# Altium PCB DDS_controller.PcbDoc
Units mil, origin at the board's own origin, x right, y up, seen from the top; angles counter-clockwise.
Board outline 2765 x 1935 mil, 2 copper layers (Top Layer, Bottom Layer); 56 components, 50 nets, 237 pads, 216 vias.
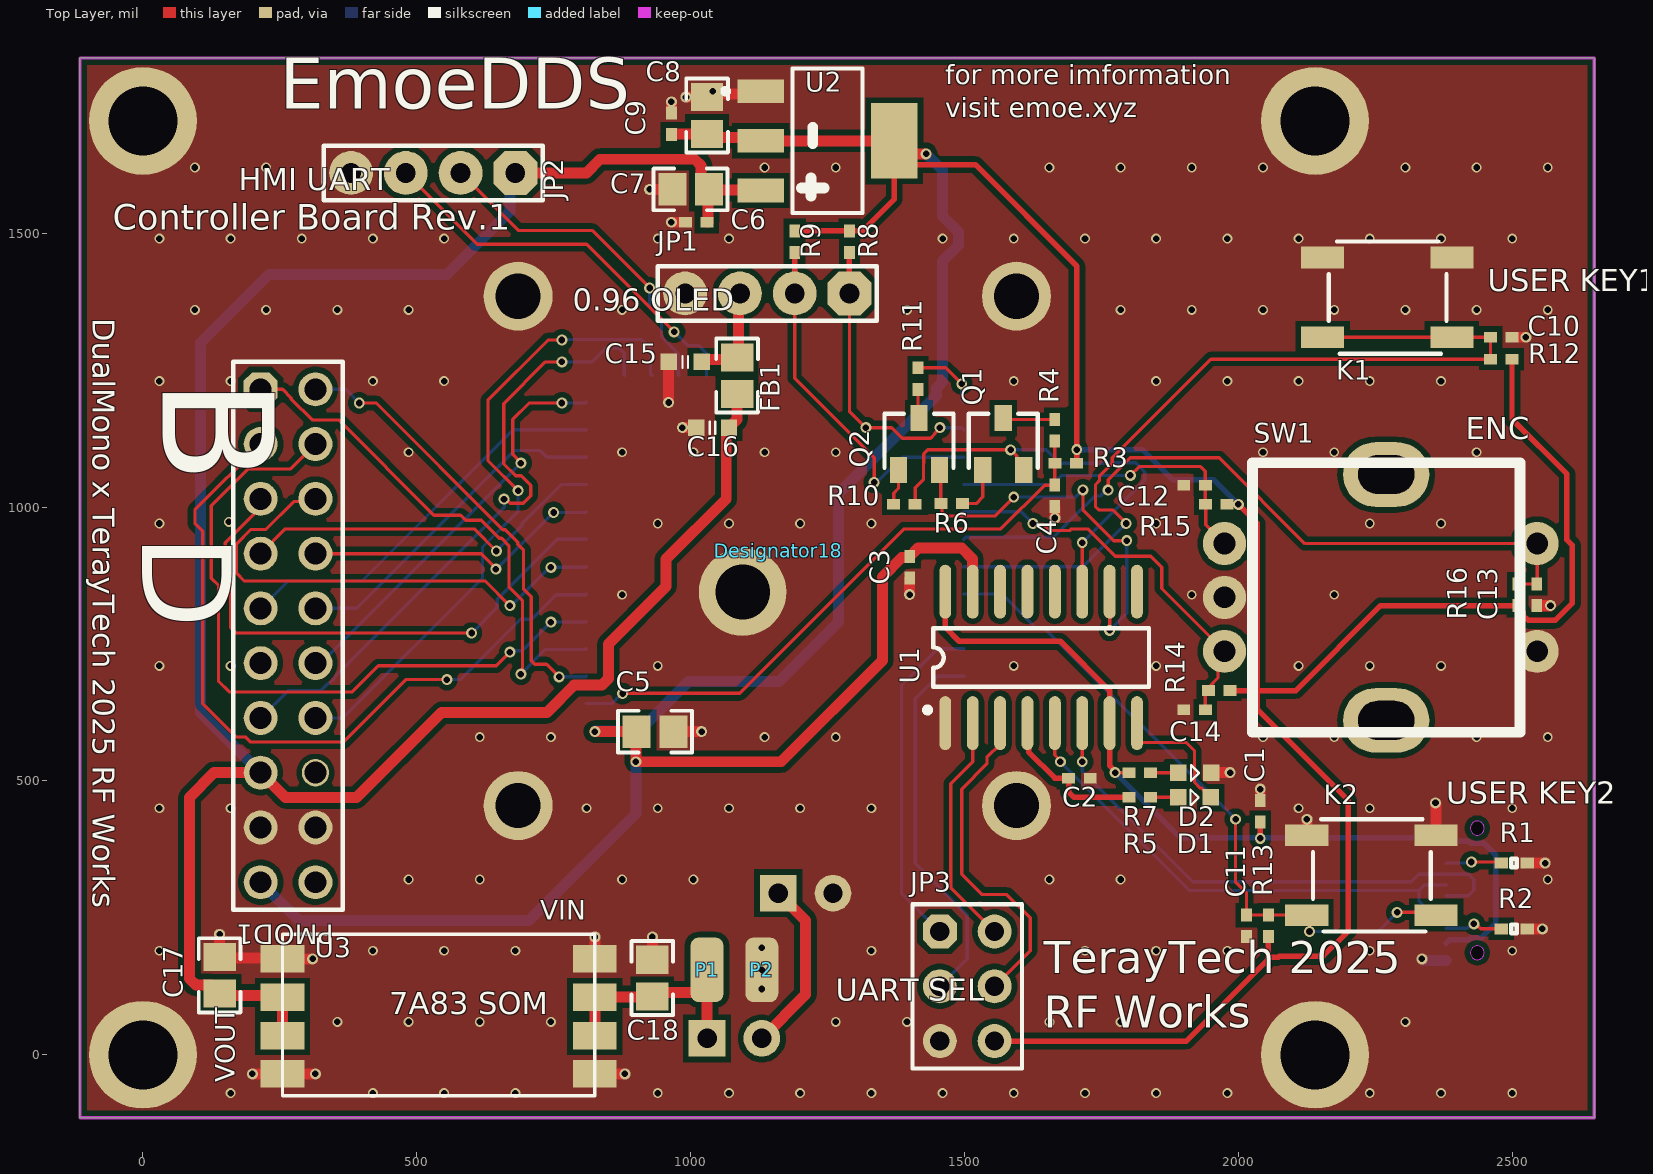
[diagram p0: Top Layer view]
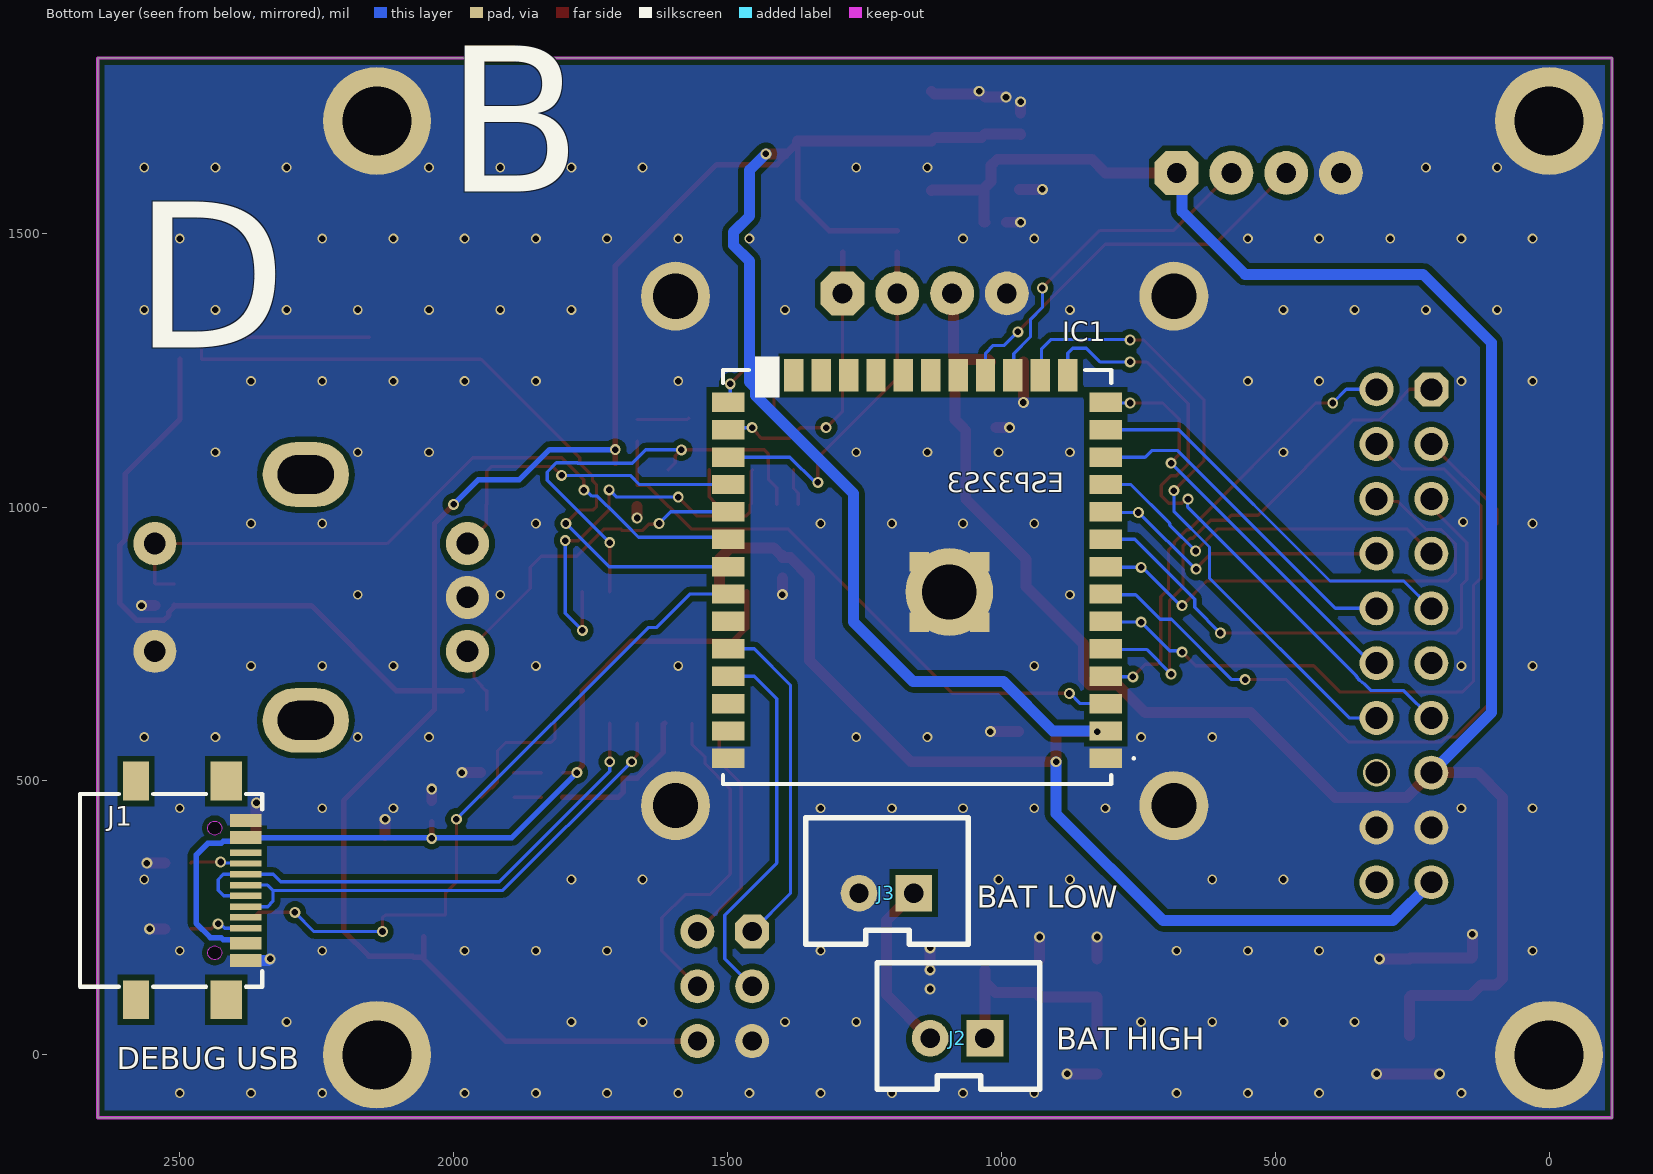
[diagram p1: Bottom Layer view, seen from below]
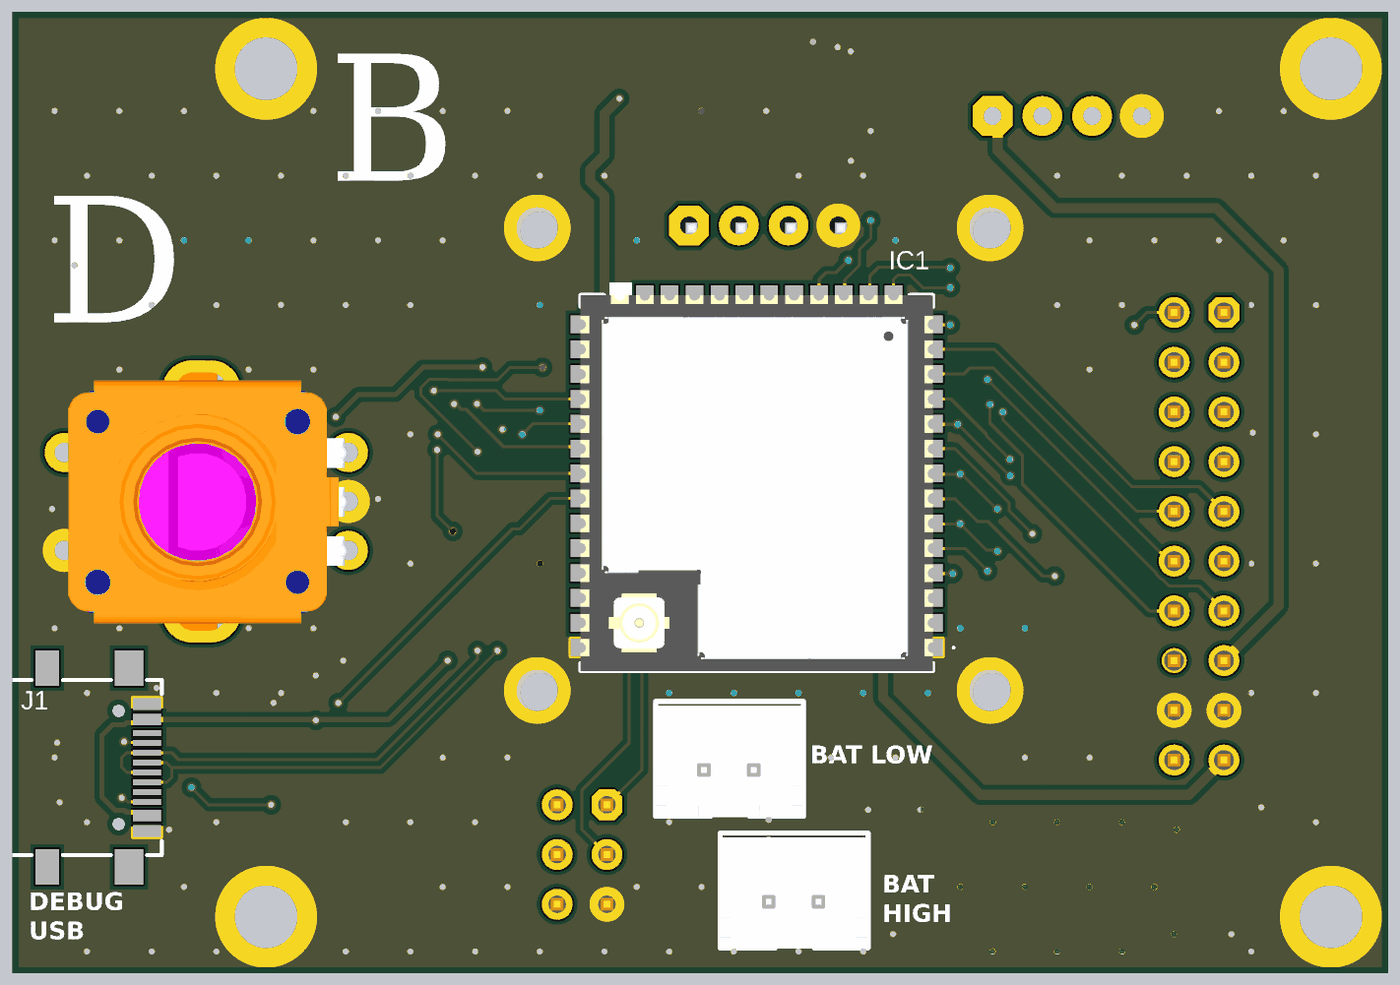
[diagram p2: 3D render of the assembled board from below, using the file's embedded part models]

## Layer stack, top to bottom
Top Solder: solder mask 0.4, Solder Resist, Dk 3.5
Top Layer: signal copper 1.4
Dielectric 1: dielectric 12.6, FR-4, Dk 4.8
Bottom Layer: signal copper 1.4
Bottom Solder: solder mask 0.4, Solder Resist, Dk 3.5

## Board outline
-115,-115 2650,-115 2650,1820 -115,1820

## Design rules (kind name [scope] priority, off if disabled: settings)
Clearance [All] p1: gap=10 ignorepadtopadclearanceinfootprint=FALSE
ComponentClearance [All] p1 off: gap=10 collisioncheckmode=3 verticalgap=10 showdistances=FALSE
PolygonConnect [All] p1: connectstyle=Direct reliefconductorwidth=10 reliefentries=4 polygonreliefangle="90 Angle" airgapwidth=10
RoutingVias [All] p1: holewidth=28 width=20 viastyle="Through Hole" minholewidth=12 minwidth=18 maxholewidth=28 maxwidth=50
SolderMaskExpansion [All] p1: expansion=4 istentingtop=FALSE
SupplyNets "Schematic Supply Nets_5" [InNet('VBAT')] p1: voltage=0.000
SupplyNets "Schematic Supply Nets_4" [InNet('GND')] p2: voltage=0.000
SupplyNets "Schematic Supply Nets_3" [InNet('VUSB')] p3: voltage=0.000
SupplyNets "Schematic Supply Nets_2" [InNet('VCC')] p4: voltage=0.000
SupplyNets "Schematic Supply Nets_1" [InNet('P3.3V')] p5: voltage=0.000
SupplyNets "Schematic Supply Nets" [InNet('P5V')] p6: voltage=0.000
Width [All] p1: maxlimit=20 minlimit=6 preferedwidth=10 minimp=50.000000 maximp=50.000000 favimp=50.000000
29 further rules are at their usual default settings.

## Components (designator, comment, footprint, x,y, rotation, side; value= is the part's Value field where it differs from the comment)
C1 "1uF" 0402L 2040,444.69 r270 top value=104
C2 "0.1uF" 0402L 1710,505 r0 top value=104
C3 "0.1uF" 0402L 1400,890 r270 top value=104
C4 "0.1uF" 0402L 1665,1020.31 r90 top value=104
C5 "22uF" 0805 935,590 r0 top value=104
C6 "0.1uF" 0402L 1010,1520 r0 top value=104
C7 "10uF" 0805 1000,1580 r0 top value=104
C8 "10uF" 0805 1030,1715 r270 top value=104
C9 "0.1uF" 0402L 965,1700 r270 top value=104
C10 "10nF" 0402L 2480,1310 r180 top value=104
C11 "10nF" 0402L 2015,235.31 r90 top value=104
C12 "10nF" 0402L 1920,1040 r0 top value=104
C13 "10nF" 0402L 2545,840 r90 top value=104
C14 "10nF" 0402L 1920,630 r0 top value=104
C15 "0.1uF" 0603_C 990,1265 r0 top value=104
C16 "0.1uF" 0603_C 1040,1145 r0 top value=104
C17 "22uF" 0805 140,145 r270 top value=104
C18 "22uF" 0805 930,140 r90 top value=104
D1 "LED" 0603_LED 1919,470 r0 top
D2 "LED" 0603_LED 1919.63,515 r0 top
Designator18 "Comment" OLED 1160,920 r0 top
FB1 "600Ω @ 100MHz" 0805 1085,1240 r270 top
IC1 "ESP32-S3-WROOM-1U-N16" ESP32S3WROOM1UN16 1153.94,872.28 r0 bottom
J1 "USB_TYPEC_2.0" USB_TYPEC_2.0_Horizontal_SMT 2580,300 r270 bottom
J2 "2PIN" XH2.54-LI-2P 1080,30 r0 bottom
J3 "2PIN" XH2.54-LI-2P 1210,295 r0 bottom
JP1 "header" header4 1290,1390 r180 top
JP2 "header" header4 680,1610 r180 top
JP3 "header" header2X3 1455,225 r270 top
K1 "KEY_4" KEY5*5 2390,1310 r180 top
K2 "KEY_4" KEY5*5 2361.22,255 r180 top
P1 "PAD" PAD 1030,155 r90 top
P2 "PAD" PAD 1130,155 r90 top
PMOD1 "Header 2X10" header2X10 215,1215 r270 top
Q1 "NPN2" SOT-23-3 1483.9,1157.38 r0 top
Q2 "NPN2" SOT-23-3 1330.04,1157.38 r0 top
R1 "Res" R0402 2503.62,350 r0 top value=5.1K
R2 "Res" R0402 2503.62,230 r0 top value=5.1K
R3 "10K" 0402L 1684.69,1080 r0 top value=1K
R4 "0R" 0402L 1665,1140.31 r270 top value=1K
R5 "1K" 0402L 1820.31,470 r0 top
R6 "1K" 0402L 1476.49,1006.43 r0 top
R7 "10K" 0402L 1820.31,515 r0 top value=1K
R8 "4.7K" 0402L 1290,1484.69 r90 top value=1K
R9 "4.7K" 0402L 1190,1484.69 r90 top value=1K
R10 "1K" 0402L 1390.31,1005 r180 top
R11 "0R" 0402L 1415,1234.69 r90 top value=1K
R12 "10K" 0402L 2480,1270 r0 top value=1K
R13 "10K" 0402L 2055,235.32 r270 top value=1K
R14 "10K" 0402L 1965,665 r0 top value=1K
R15 "10K" 0402L 1960,1005 r0 top value=1K
R16 "10K" 0402L 2510,840 r270 top value=1K
SW1 "编码器带开关" EC11 2270,835 r270 top locked
U1 "CH343G" SOP16 1640,725 r90 top
U2 "SGM2212" SOT-223 1255,1680 r270 top
U3 "Power SOM" 7A8300 825,175 r180 top

## Footprints (in the part's own frame and the unit in brackets; to place one, negate y for a bottom-side part, rotate by r counter-clockwise, add the part's x,y. Pads: shape width x height; smd on the part's side, far side on the other; paste and mask are expansions set on the pad)
7A8300 [mil]
  rect 80x50 smd: 1(0,210) 2(0,140) 3(0,70) 4(0,0) 5(570,0) 6(570,70) 7(570,140) 8(570,210)
  silkscreen extent 0,-45 570,250, body extent 2,-46 572,249, height 77
0402L [mm] "0402 from SM-752 data"
  rect 0.6x0.5 smd: 1(-0.5,0) 2(0.5,0)
  body extent -0.55,-0.3 0.55,0.3, height 0.6
0603_C [mil] "Capacitor"
  rect 30x30 smd: 1(-30,0) 2(30,0)
  silkscreen extent -5,-11 5,11, body extent -51,-18 52,21, height 35
0603_LED [mil]
  rect 30x30 smd: 1(31,0) 2(-29,0)
  silkscreen extent -6,-15 9,14, body extent -31,-16 31,16, height 24
0805 [mm] "0805 from SM-752 data"
  rect 1.3x1.5 smd: 1(-0.85,0) 2(0.85,0)
  silkscreen extent -1.72,-0.97 1.72,0.97, body extent -1.1,-0.72 1.1,0.72, height 1.45
EC11 [mm] "编码器"
  oval 3x4 hole 1.8 slot 2.6 at 90 deg: 0(-5.7,0) 0(5.7,0)
  round 2 hole 1: 1(-2.5,7) 2(2.5,7) A(-2.5,-7.5) B(2.5,-7.5) C(0,-7.5)
  silkscreen extent -6.25,-6.2 6.25,6.2, body extent -6.97,-7.45 7.02,6.8, height 20.05
ESP32S3WROOM1UN16 [mm]
  rect 1.5x0.9 smd: 1(-8.75,8.41) 2(-8.75,7.14) 3(-8.75,5.87) 4(-8.75,4.6) 5(-8.75,3.33) 6(-8.75,2.06) 7(-8.75,0.79) 8(-8.75,-0.48) 9(-8.75,-1.75) 10(-8.75,-3.02) 11(-8.75,-4.29) 12(-8.75,-5.56) 13(-8.75,-6.83) 14(-8.75,-8.1) 27(8.75,-8.1) 28(8.75,-6.83) 29(8.75,-5.56) 30(8.75,-4.29) 31(8.75,-3.02) 32(8.75,-1.75) 33(8.75,-0.48) 34(8.75,0.79) 35(8.75,2.06) 36(8.75,3.33) 37(8.75,4.6) 38(8.75,5.87) 39(8.75,7.14) 40(8.75,8.41)
  rect 0.9x1.5 smd: 15(-6.985,-9.35) 16(-5.715,-9.35) 17(-4.445,-9.35) 18(-3.175,-9.35) 19(-1.905,-9.35) 20(-0.635,-9.35) 21(0.635,-9.35) 22(1.905,-9.35) 23(3.175,-9.35) 24(4.445,-9.35) 25(5.715,-9.35)
  rect 0x1.5 smd mask+0: 26(6.985,-9.35)
  rect 0.9x0.9 smd: 41(-1.5,0.69) 42(-1.5,2.09) 43(-2.9,2.09) 44(-2.9,0.69) 45(-2.9,-0.71) 46(-1.5,-0.71) 47(-0.1,-0.71) 48(-0.1,0.69) 49(-0.1,2.09)
  silkscreen extent -10.1,-9.6 9,9.6, body extent -9,-9.59 9,9.61, height 3.35
header2X3 [mil]
  oct 62x62 hole 35: 1(0,0)
  round 62 hole 35: 2(0,100) 3(100,0) 4(100,100) 5(200,0) 6(200,100)
  silkscreen extent -50,-50 250,150, body extent -50,-50 250,150, height 398
header2X10 [mil]
  oct 62x62 hole 40: 1(0,0)
  round 62 hole 40: 2(0,100) 3(100,0) 4(100,100) 5(200,0) 6(200,100) 7(300,0) 8(300,100) 9(400,0) 10(400,100) 11(500,0) 12(500,100) 13(600,0) 14(600,100) 15(700,0) 17(800,0) 18(800,100) 19(900,0) 20(900,100)
  round 50 hole 40: 16(700,100)
  silkscreen extent -50,-50 950,150, body extent -50,-50 950,150, height 398
header4 [mil]
  oct 80x80 hole 36: 1(0,0)
  round 80 hole 36: 2(100,0) 3(200,0) 4(300,0)
  silkscreen extent -50,-50 350,50
KEY5*5 [mm]
  rect 2x1 smd: 1(0,0) 2(0,-3.7) 3(6,-3.7) 4(6,0)
  silkscreen extent 0.25,-4.44 5.71,0.76, body extent -0.25,-4.45 6.15,0.75, height 1.5
OLED [mil]
  body extent -551,-540 501,557, height 452
PAD [mil]
  rrect50% 118.11x60 smd: 1(0,0)
R0402 [mil] "1/16W"
  rect 25x20 smd: 1(-23.62,0) 2(23.62,0)
  silkscreen extent -5,-8 5,8, body extent -19,-10 20,10, height 14
SOP16 [mm] "SOP, 16-Leads, Body 9.90x3.90mm, Pitch 1.27mm, IPC Medium Density"
  oval 2.5x0.55 smd: 1(-3.035,4.445) 2(-3.035,3.175) 3(-3.035,1.905) 4(-3.035,0.635) 5(-3.035,-0.635) 6(-3.035,-1.905) 7(-3.035,-3.175) 8(-3.035,-4.445) 9(3.06,-4.445) 10(3.06,-3.175) 11(3.06,-1.905) 12(3.06,-0.635) 13(3.06,0.635) 14(3.06,1.905) 15(3.06,3.175) 16(3.06,4.445)
  silkscreen extent -2.55,-5 1.37,5.39, body extent -3.99,-5.1 3.93,5.1, height 1.8
SOT-23-3 [mm]
  rect 0.8x1.2 smd: 1(1.257,-2.273) 2(3.157,-2.273) 3(2.207,0.127)
  silkscreen extent 0.61,-2.17 3.81,0.33, body extent 0.71,-2.42 3.61,0.38
SOT-223 [mm] "ASM1117系列"
  rect 1.1x2.15 smd: 1(-2.012,-3.227) 2(0.288,-3.227) 3(2.588,-3.227)
  rect 3.5x2.15 smd: 2(0.288,2.973)
  silkscreen extent -3.06,-4.98 3.64,1.5, body extent -3,-3.48 3.5,3.48, height 1.7
USB_TYPEC_2.0_Horizontal_SMT [mm]
  rect 0.6x1.45 smd: A1(-3.25,5.095) A4(-2.45,5.095) A9(2.45,5.095) A12(3.25,5.095)
  rect 0.3x1.45 smd: A5(-1.25,5.095) A6(-0.25,5.095) A7(0.25,5.095) A8(1.25,5.095) B5(1.75,5.095) B6(0.75,5.095) B7(-0.75,5.095) B8(-1.75,5.095)
  rect 1.8x1.2 smd: Shell(-5.07,0) Shell(5.07,0)
  rect 1.8x1.45 smd: Shell(-5.07,4.18) Shell(5.07,4.18)
  Keep-Out Layer board cut-out: -2.89,3.325 -3.014,3.35 -3.12,3.42 -3.19,3.526 -3.215,3.65 -3.215,3.65 -3.19,3.774 -3.12,3.88 -3.014,3.95 -2.89,3.975 -2.89,3.975 -2.766,3.95 -2.66,3.88 -2.59,3.774 -2.565,3.65 -2.565,3.65 -2.59,3.526 -2.66,3.42 -2.766,3.35 -2.89,3.325
  Keep-Out Layer board cut-out: 2.89,3.325 2.766,3.35 2.66,3.42 2.59,3.526 2.565,3.65 2.565,3.65 2.59,3.774 2.66,3.88 2.766,3.95 2.89,3.975 2.89,3.975 3.014,3.95 3.12,3.88 3.19,3.774 3.215,3.65 3.215,3.65 3.19,3.526 3.12,3.42 3.014,3.35 2.89,3.325
  silkscreen extent -4.47,-2.6 4.47,5.85
XH2.54-LI-2P [mm] "接插件，2P"
  rect 1.7x1.7 hole 0.9: 1(-1.27,0)
  round 1.7 hole 0.9: 2(1.27,0)
  silkscreen extent -3.81,-3.51 3.74,2.37, body extent -3.77,-3.3 3.77,2.4, height 7.05

## Part data
C1 C2 C3 C4 C5 C6 C7 C8 C9 C10 C11 C12 C13 C14 C15 C16 C17 C18: library part CAP, "Capacitor", LatestRevisionDate=17-Jul-2002, LatestRevisionNote="Re-released for DXP Platform.", PackageReference=RAD-0.3, Published=8-Jun-2000, Publisher="Altium Limited"
D1 D2: "LED 发光二极管"
FB1: library part FB, "磁珠 600Ω @ 100MHz"
IC1: "Integrated Circuit", Manufacturer_Name="Espressif Systems", Mouser Part Number=356-ESP32S3WROM1UN16, Datasheet Link=https://www.espressif.com/sites/default/files/documentation/esp32-s3-wroom-1_wroom-1u_datasheet_en.pdf, Height=3.35mm, Manufacturer_Part_Number=ESP32-S3-WROOM-1U-N16, Mouser Price/Stock=https://www.mouser.co.uk/ProductDetail/Espressif-Systems/ESP32-S3-WROOM-1U-N16?qs=Li%252BoUPsLEntAI1ynUyotnA%3D%3D
J1: "USB 3.1 Type C Receptacle WR-COM, Horizontal, SMT / THT", Contact Resistance="30 mOhm", Operating Temperature="-40 to 105 degC", Part Number=632723300011, Rated Current="5 A", Working Voltage="20 VDC", ComponentLink1Description=Manufacturer, ComponentLink1URL=http://www.we-online.de, ComponentLink2Description=Datasheet, ComponentLink2URL=https://katalog.we-online.de/em/datasheet/632723x00011%282%29.pdf, Connector Type="USB 3.1 Type C", Gender=Receptacle, Mounting Technology="SMT / THT", Orientation=Horizontal, Packaging="Tape and Reel", Published Date="September 2018", Publisher="Wurth Elektronik"
J2 J3: library part "HEADER 2PIN"
JP1 JP2: library part "HEADER 4"
JP3: library part "HEADER 3X2"
K1 K2: "Switch", LatestRevisionDate=17-Jul-2002, LatestRevisionNote="Re-released for DXP Platform.", PackageReference=SPST-2, Published=24-Mar-1999, Publisher="Altium Limited"
PMOD1: library part "Header 10X2", "10*2P接插件", BOM名称=10*2P接插件, 下单链接=https://item.taobao.com/item.htm?ft=t&id=613637044352, 淘宝ID=小糖豆的小窝窝
Q1 Q2: "贴片"
R1 R2: "Resistor", LatestRevisionDate=29-May-2009, LatestRevisionNote="IPC-7351 Footprint Added.", PackageDescription="Chip Resistor", PackageReference=J1-0603, Published=8-Jun-2000, Publisher="Altium Limited"
R3 R4 R5 R6 R7 R8 R9 R10 R11 R12 R13 R14 R15 R16: library part RES, "Resistor", Published=8-Jun-2000, Publisher="Altium Limited", Revision="July-2002: Re-released for DXP Platform."
SW1: library part EC11
U1: "USB to high speed enhanced TTL Serial / UART"
U2: library part AMS1117, "3.3V电压转换器AMS1117"
U3: library part TPS7A8300

## Free pads (board coordinates)
  round 196.85 hole 125.98: 0(0,0) 0(0,1705) 0(2140,0) 0(2140,1705)
  round 125.98 hole 82.68: 1(685,455) 1(685,1385) 1(1595,455) 1(1595,1385)
  round 160 hole 100 unplated: 2(1095,845)

## Via types
v1: diameter 18, hole 12, Top Layer to Bottom Layer, tented both sides, 138 vias
v2: diameter 20, hole 12, Top Layer to Bottom Layer, tented both sides, 78 vias

## Nets (pads, with @x,y where several pads share a name; then routed paths per layer and width w, separated by ;. In a path a pad name is that pad's centre, name@x,y a point inside that pad or via, vN(x,y) a via of type N, cw(c..) or ccw(c..) an arc to the next point about the centre after c; other vN are vias at no path point)
ACT: D1.1 U1.8 | length 241.5
  Top Layer w6: U1.8 1815,577.37 1822.23,570.14 1904.86,570.14 1920,555 1920,497.25 1930.25,487 1933,487 D1.1
CS: IC1.9 PMOD1.5 | length 999.3
  Top Layer w6: PMOD1.5 215,999.85 150.07,934.93 150.07,867.55 160.04,857.59 160.04,779.96 170,770 v2(600,770)
  Bottom Layer w6: v2(600,770) 647,817 647,832 756.18,941.18 IC1.9
DTR: Q2.2 R6.1 U1.10 | length 745.5
  Top Layer w6: Q2.2 1456.8,1065.42 R6.1 1458.9,1004.33 1458.9,991.1 1466.42,983.58 1555.4,983.58 v2(1590,1018.18) ; v2(1716.21,1031.21) 1716.21,995.11 1772.58,938.74 v2(1796.26,938.74) ; v2(1765,775) U1.10
  Bottom Layer w6: v2(1590,1018.18) 1702.38,1018.18 1715.41,1031.21 v2(1716.21,1031.21) ; v2(1765,775) 1796.26,806.26 v2(1796.26,938.74)
EC11_A: C12.2 IC1.30 R15.1 SW1.A | length 604.6
  Top Layer w6: v2(1802.79,1057.74) 1819.05,1074 1931,1074 1939.69,1065.31 C12.2 R15.1@1939.69,1005 ; R15.1 1940.31,967.83 SW1.A
  Bottom Layer w6: IC1.30 1661.18,1041.18 1677.74,1057.74 v2(1802.79,1057.74)
EC11_B: C14.2 IC1.31 R14.1 SW1.B | length 729.2
  Top Layer w6: v2(1625,970) 1626.53,968.47 1644,968.47 1655.47,957 1692,957 1695,960 1725,960 1775,910 1840,910 1860,890 1860,851.3 SW1.B 1962.89,724.74 1962.89,688.2 1948.5,673.81 1948.5,671.84 1941.65,665 1939.69,665 C14.2
  Bottom Layer w6: IC1.31 1603.82,991.18 v2(1625,970)
EC11_SW: C13.2 IC1.32 R16.1 SW1.1 | length 1292.8
  Top Layer w6: v2(1762.21,1030.94) 1762.47,1031.2 1762.47,1049.94 1802.53,1090 1965,1090 2121.57,933.43 SW1.1 C13.2@2545.59,860.28 ; R16.1 C13.2
  Bottom Layer w6: IC1.32 1502.24,945 1662.53,945 1687,969.47 1687,969.53 1700.47,983 1700.53,983 1737.59,1020.06 1747.55,1020.06 1758.43,1030.94 v2(1762.21,1030.94)
ESP32_EN: C4.2 IC1.3 R3.1 R4.2 | length 1101.4
  Top Layer w6: v2(875.72,659.57) 876.16,660 1090,660 1390,960 1566.16,960 1646.16,1040 C4.2 R3.1 R4.2
  Bottom Layer w6: IC1.3 856.18,641.18 874.57,659.57 v2(875.72,659.57)
GND: C1.1 C2.2 C3.2 C4.1 C5.2 C6.1 C7.1 C8.1 C9.1 C10.1 C11.1 C12.1 C13.1 C14.1 C15.1 C16.1 C17.1 C18.2 D2.1 IC1.1 IC1.40 IC1.41 IC1.42 IC1.43 IC1.44 IC1.45 IC1.46 IC1.47 IC1.48 IC1.49 J1.A1 J1.A12 J3.2 JP1.4 JP2.4 JP3.5 K1.2 K1.3 K2.2 K2.3 P2.1 pad.0 pad.1 pad.2 PMOD1.17 PMOD1.18 R1.2 R2.2 SW1.2 SW1.C U1.1 U2.1 U3.1 U3.4 U3.5 U3.8 | length 1239.5
  Top Layer w20: v2(140,220) C17.1 141.73,176.73 253.27,176.73 U3.5 v2(310,175) ; v2(200,-35) U3.8 v2(315,-35) ; U3.1 v2(880,-35) ; U3.4 v2(825,215) ; v2(925,1580) C7.1 ; C18.2 v2(930,215) ; v2(959.69,1190.93) 960,1191.24 C15.1 ; v2(965,1520) C6.1 ; C9.1 v2(965,1740) ; C5.2 v2(1020,590) ; v2(985,1145) C16.1 ; v2(991.54,1748.46) C8.1 v2(1040.75,1759.21) 1046.12,1753.84 1122.58,1753.84 U2.1 ; v2(1130,155) v2(1130,195) ; v2(1400,840) C3.2 ; v2(1665,980) C4.1 ; D2.1 v2(1985,515) ; C1.1 v2(2040,485) ; K2.3 v2(2125,430) ; v2(2360,460) 2361.22,458.78 K2.2 ; C10.1 v2(2525,1310) ; R2.2 v2(2555,230) ; R1.2 v2(2560,350) ; C13.1 2545,820.16 2545.16,820 v2(2570,820)
  Bottom Layer w20: v2(2335,175) 2337.95,172.05 J1.A12
  other v1: 160,-70 420,-70 550,-70 680,-70 940,-70 1070,-70 1200,-70 1330,-70 1460,-70 1590,-70 1720,-70 1850,-70 1980,-70 2240,-70 2370,-70 2500,-70 355,60 485,60 615,60 745,60 1265,60 1395,60 1655,60 1785,60 2305,60 30,190 420,190 550,190 680,190 1330,190 1720,190 1850,190 1980,190 2240,190 2500,190 485,320 615,320 875,320 1005,320 1655,320 1785,320 2565,320 30,450 160,450 810,450 940,450 1070,450 1200,450 1330,450 2110,450 2240,450 2500,450 615,580 745,580 1135,580 1265,580 2045,580 2175,580 2435,580 2565,580 30,710 160,710 940,710 1590,710 1850,710 2110,710 2240,710 2370,710 875,840 1915,840 2175,840 30,970 940,970 1070,970 1200,970 1330,970 1850,970 2240,970 2370,970 157.02,972.98 485,1100 875,1100 1005,1100 1135,1100 1265,1100 2045,1100 2175,1100 2435,1100 30,1230 160,1230 420,1230 550,1230 1590,1230 1850,1230 1980,1230 2110,1230 2240,1230 2370,1230 95,1360 225,1360 355,1360 485,1360 875,1360 1395,1360 1785,1360 1915,1360 2045,1360 2175,1360 2305,1360 2435,1360 2565,1360 30,1490 160,1490 290,1490 420,1490 550,1490 940,1490 1070,1490 1460,1490 1590,1490 1720,1490 1850,1490 1980,1490 2110,1490 2240,1490 2370,1490 2500,1490 95,1620 225,1620 1135,1620 1265,1620 1655,1620 1785,1620 1915,1620 2045,1620 2305,1620 2435,1620 2565,1620
  other v2: 1130,120
GPIO0: IC1.27 R11.2 | length 127.4
  Top Layer w6: R11.2 1465.63,1254.37 v2(1495,1225)
  Bottom Layer w6: v2(1495,1225) 1495,1194.61 IC1.27
HMI_RX: IC1.18 JP2.3 | length 725.9
  Top Layer w6: JP2.3 610,1480 810,1480 v2(970,1320)
  Bottom Layer w6: v2(970,1320) 995,1295 1015,1295 1028.94,1281.06 IC1.18
HMI_TX: IC1.17 JP2.2 | length 613.9
  Top Layer w6: JP2.2 685,1505 820,1505 v2(925,1400)
  Bottom Layer w6: v2(925,1400) 925,1364.37 947,1342.37 947,1310.47 977.47,1280 977.47,1241.86 IC1.17
I2C_SCL: IC1.29 JP1.2 R9.1 | length 662.6
  Top Layer w6: JP1.2 1190,1235 1335,1090 v2(1335,1045)
  Top Layer w10: JP1.2 R9.1
  Bottom Layer w6: v2(1335,1045) 1340,1045 1386.18,1091.18 IC1.29
I2C_SDA: IC1.28 JP1.1 R8.1 | length 529.7
  Top Layer w6: JP1.1 1290,1175 v2(1320,1145) 1366.89,1145 1386.14,1125.76 1438.06,1125.76 1445.68,1133.37 1445.68,1134.49 1455,1143.81 v2(1455,1145)
  Top Layer w10: JP1.1 R8.1
  Bottom Layer w6: v2(1455,1145) 1494.61,1145 IC1.28
I/O_UPDATE: IC1.8 PMOD1.6 | length 924.5
  Top Layer w6: PMOD1.6 310,1010 275,1010 224,959 196.77,959 171,933.23 171,879 185,865 625,865 v2(670,820)
  Bottom Layer w6: v2(670,820) 672.5,820 742.5,890 v2(745,890) 808.27,890 IC1.8
NetC15_2: C15.2 FB1.1 JP1.3 | length 187.1
  Top Layer w20: C15.2 1024.23,1269.23 1080.77,1269.23 FB1.1 1087.5,1275.96 1087.5,1387.5 JP1.3
NetD1_2: D1.2 R5.2 | length 50
  Top Layer w6: R5.2 D1.2
NetD2_2: D2.2 R7.2 | length 50.6
  Top Layer w6: R7.2 D2.2
NetJ1_A5: J1.A5 R1.1 | length 102.6
  Top Layer w6: v2(2425.44,351.98) 2478.02,351.98 R1.1
  Bottom Layer w6: J1.A5 2380.19,349.99 2423.45,349.99 v2(2425.44,351.98)
NetJ1_B5: J1.B5 R2.1 | length 107.6
  Top Layer w6: v2(2430,239.02) 2433.79,239.02 2442.8,230 R2.1
  Bottom Layer w6: J1.B5 2418.3,231.1 2426.21,239.02 v2(2430,239.02)
NetJ2_2: J2.2 J3.1 | length 318.8
  Top Layer w20: J2.2 1210,110 1210,245 J3.1
NetQ1_1: Q1.1 R6.2 | length 91.7
  Top Layer w6: R6.2 1521.43,1006.43 1533.39,1018.39 Q1.1
NetQ1_3: Q1.3 R4.1 | length 95.2
  Top Layer w6: Q1.3 1573.17,1160 R4.1
NetQ2_1: Q2.1 R10.2 | length 66.6
  Top Layer w6: R10.2 1370.63,1025.63 1379.53,1034.53 Q2.1
NetQ2_3: Q2.3 R11.1 | length 53.4
  Top Layer w6: R11.1 1415,1164.31 Q2.3
P0: IC1.4 PMOD1.2 | length 824.7
  Top Layer w6: v2(395,1190) 426.11,1190 657.33,958.78 661.37,958.78 684.22,935.94 684.22,931.89 695,921.11 695,850.15 709,836.15 709,719.51 715.42,713.1 736.9,713.1 v2(760,690)
  Bottom Layer w6: PMOD1.2 370,1215 v2(395,1190) ; v2(760,690) 808.27,690 IC1.4
P1: IC1.5 PMOD1.1 | length 957.3
  Top Layer w6: PMOD1.1 255,1215 271,1199 271,1196.77 308.77,1159 357.39,1159 531.39,985 580,985 589,976 617.49,976 650.7,942.78 654.74,942.78 668.22,929.31 668.22,854.31 693,829.53 693,698 v2(690,695)
  Bottom Layer w6: v2(690,695) 735,740 808.27,740 IC1.5
P2: IC1.6 PMOD1.4 | length 1295.2
  Top Layer w6: PMOD1.4 269.64,1069.64 192.27,1069.64 125,1002.37 125,870 138,857 138,682 157.51,662.49 382.49,662.49 430,710 645,710 v2(670,735)
  Bottom Layer w6: v2(670,735) 672.68,737.68 692.68,737.68 v2(745,790) 808.27,790 IC1.6
P3: IC1.7 PMOD1.3 | length 1370.9
  Top Layer w6: PMOD1.3 95,995 95,970 109,956 109,641 170,580 187.77,580 196.77,571 366,571 480,685 v2(555,685)
  Bottom Layer w6: v2(555,685) 579.39,685 689.39,795 710,795 755,840 808.27,840 IC1.7
P3.3V: C3.1 C5.1 C8.2 C9.2 IC1.2 JP3.6 PMOD1.19 R3.2 R8.2 R9.2 R12.2 R13.2 R14.2 R15.2 R16.2 U1.15 U2.2 | length 8211.6
  Top Layer w10: R9.2 R8.2 1290.31,1504.69 1314.69,1504.69 1372.05,1562.05 U2.2@1372.05,1662.32 ; U2.2@1395.71,1645 1372.05,1668.66 U2.2@1372.05,1662.32 ; JP3.6 1905,25 2055,175 ; R3.2 1704.69,1080.31 1704.69,1104.69 v2(1705,1105) 1705,1440 1520,1625 1409.37,1625 U2.2@1372.05,1662.32 ; R14.2 2035,665 ; v2(2000,1005) 2035,970 2035,665 ; R13.2 2055,175 ; R12.2 2499.69,1160.31 2599.96,1060.04 2599.96,940.04 2610,930 2610,824.64 2578.86,793.5 2528.94,793.5 2520.16,802.29 2520.16,808.19 2510,818.35 R16.2 ; R16.2@2509.69,820 2260,820 2105,665 2035,665 ; 2035,665 2035,630 2200.86,464.14 2200.86,225.86 2155,180 2075,180 2073.09,178.09 2058.09,178.09 2055,175
  Top Layer w20: v2(825,590) C5.1 900,588.46 v2(900,535) 1165,535 1350,720 1350,872.43 1385.45,907.87 1399.84,907.87 1400,908.03 C3.1 1400,911.34 1400.16,911.5 1401.81,911.5 1415.31,925 1495,925 1515,905 U1.15 ; C9.2 965,1680.77 965.16,1680.93 1029.39,1680.93 C8.2 1036.44,1675.1 1121.52,1675.1 1127.95,1668.66 U2.2@1372.05,1668.66 ; U2.2@1395.71,1645 v2(1430,1645)
  Bottom Layer w10: v2(1705,1105) 1825,1105 1880,1050 1955,1050 v2(2000,1005)
  Bottom Layer w20: PMOD1.19 285,245 705,245 900,440 v2(900,535) ; v2(825,590) 826.18,591.18 906.18,591.18 996.45,681.45 1161.45,681.45 1270,790 1270,1025 1448.9,1203.9 1448.9,1217.18 1460,1228.28 1460,1448.99 1489,1477.99 1489,1502.01 1460,1531.01 1460,1615 v2(1430,1645)
P3V_UART: C2.1 R5.1 U1.4 | length 286.2
  Top Layer w10: U1.4 1617.19,603.34 1617.19,552.81 1665,505 C2.1 1690.31,479.68 1700,470 R5.1
P5V: C6.2 C7.2 U2.3 | length 561.4
  Top Layer w20: 680,1610 809.57,1610 834.57,1635 1007.49,1635 1019.2,1623.28 1019.2,1594.26 C7.2 ; C6.2 1031.34,1520 1031.5,1520.16 1031.5,1578.03 C7.2 ; U2.3 1127.01,1579.06 1034.41,1579.06 C7.2
PWR_DOWN: IC1.15 PMOD1.13 | length 1188.6
  Top Layer w6: v2(659.28,1014.57) 660,1015.29 660,1020.47 662,1020.47 662,1015.63 670.63,1007 694.53,1007 708,1020.47 708,1039.53 690.45,1057.08 680.55,1057.08 659,1078.63 659,1189 735,1265 v2(765,1265)
  Bottom Layer w6: PMOD1.13 265,665 325,665 336.75,676.75 ccw(c315,715) 353.25,693.25 660,1000 660,1013.84 v2(659.28,1014.57) ; v2(765,1265) 820,1265 845,1290 870,1290 878.94,1281.06 IC1.15
RESET: IC1.16 PMOD1.14 | length 1184.2
  Top Layer w6: v2(685,1030) 630,1085 630,1195 740,1305 v2(765,1305)
  Bottom Layer w6: PMOD1.14 365,615 620,870 620,927.09 685,992.09 v2(685,1030) ; v2(765,1305) 766,1306 909,1306 926.77,1288.23 926.77,1242.56 IC1.16
RTS: Q1.2 R10.1 U1.11 | length 834.6
  Top Layer w6: R10.1 1410,1035 1425,1050 1425,1080 1425.58,1080.58 1425.58,1096.9 1433.2,1104.51 v2(1584.41,1104.51) 1595.44,1093.48 1595.44,1080.64 Q1.2 ; U1.11 v2(1715,935)
  Bottom Layer w6: v2(1584.41,1104.51) 1649.34,1104.51 1673.86,1080 1773.29,1080 1774.03,1080.74 1812.32,1080.74 1829.04,1064.01 1829.04,1049.04 v2(1715,935)
RXD0: IC1.36 JP3.1 | length 619.8
  Bottom Layer w6: JP3.1 1385,295 1385,675 1451.18,741.18 IC1.36
SCLK: IC1.10 PMOD1.8 | length 550.4
  Top Layer w6: PMOD1.8 617.47,915 644.5,887.97 v2(644.5,886.54)
  Bottom Layer w6: v2(644.5,886.54) 645.52,886.54 748.98,990 808.27,990 IC1.10
  other v2: 750,990
SDIO_0: IC1.11 PMOD1.7 | length 681.8
  Top Layer w6: PMOD1.7 260,960 605,960 v2(645.22,919.78)
  Bottom Layer w6: v2(645.22,919.78) 692.63,967.2 692.63,970.16 763.65,1041.18 IC1.11
SDIO_1: IC1.12 PMOD1.10 | length 618.7
  Bottom Layer w6: PMOD1.10 390,815 678.08,1103.08 725.79,1103.08 737.68,1091.18 IC1.12
SDIO_2: IC1.13 PMOD1.9 | length 729.6
  Bottom Layer w6: PMOD1.9 265,865 400,865 676.18,1141.18 IC1.13
SDIO_3: IC1.14 PMOD1.12 | length 759.8
  Top Layer w6: v2(690.08,1080.08) 690.08,1081.04 675,1096.11 675,1160 705,1190 v2(765,1190)
  Bottom Layer w6: PMOD1.12 325,715 v2(690.08,1080.08) ; v2(765,1190) 808.27,1190 IC1.14
TXD0: IC1.37 JP3.3 | length 690.5
  Bottom Layer w6: JP3.3 1505,175 1505,255 1410,350 1410,650 1451.18,691.18 IC1.37
UART_RX: JP3.2 U1.2 | length 430.2
  Top Layer w6: U1.2 1515,535 1475,495 1475,305 JP3.2
UART_TX: JP3.4 U1.3 | length 614.6
  Top Layer w6: JP3.4 1620,190 1620,250 1577.5,292.5 1532.5,292.5 1495,330 1495,485 1541,531 1541,543.14 1565,567.14 U1.3
USB_D_N: J1.A7 J1.B7 U1.6 | length 970.6
  Top Layer w6: v2(1715,535) U1.6
  Bottom Layer w6: v2(1715,535) 1715,517.63 1916.63,316 2316,316 2329.53,329.53 J1.B7 2420.47,329.53 2430,320 2430,300 2420.16,290.16 J1.A7
USB_D_P: J1.A6 J1.B6 U1.5 | length 953.9
  Top Layer w6: U1.5 1665,547.32 1675,537.32 v2(1675,535)
  Bottom Layer w6: v2(1675,535) 1910,300 2330,300 ; J1.B6 2339.53,270.47 2330,280 2330,300 ; J1.A6 2339.84,309.84 2330,300
USER_KEY1: C10.2 IC1.33 K1.1 K1.4 R12.1 | length 1611.3
  Top Layer w6: v2(1795,970) 1770.32,994.68 1745.04,994.68 1739.21,1000.51 1739.21,1040.47 1746.47,1047.72 1746.47,1056.57 1770,1080.1 1770,1090 1950,1270 R12.1 C10.2 K1.1 K1.4
  Bottom Layer w6: IC1.33 1716.18,891.18 v2(1795,970)
USER_KEY2: C11.2 IC1.34 K2.1 K2.4 R13.1 | length 1240
  Top Layer w6: v2(1995,430) 1995,315 2015,295 C11.2 R13.1 K2.4 2130,250 v2(2130,225) ; v2(2290,260) 2356.22,260 K2.1
  Bottom Layer w6: IC1.34 1568.82,841.18 1630,780 1645,780 v2(1995,430) ; v2(2130,225) 2255,225 v2(2290,260)
VBAT: C18.1 J2.1 P1.1 U3.2 U3.3 | length 411.7
  Top Layer w20: U3.2 U3.3 825.77,105.77 929.23,105.77 C18.1 937.2,113.74 1010.38,113.74 P1.1@1030,133.36 ; J2.1 P1.1@1030,133.36 ; P1.1 P1.1@1030,133.36
VCC: C16.2 C17.2 FB1.2 JP2.1 PMOD1.15 U3.6 U3.7 | length 3663.5
  Top Layer w20: U3.7 U3.6 251.73,108.27 143.27,108.27 C17.2 124.41,127.13 96.72,127.13 85,138.84 85,470 130,515 PMOD1.15 260,470 390,470 545,625 737.43,625 787.43,675 838.28,675 850,686.72 850,750 955,855 955,905 1065,1015 1065,1140 C16.2 1085,1160 FB1.2
  Bottom Layer w20: PMOD1.15 105,625 105,1300 230,1425 555,1425 670,1540 670,1600 JP2.1
VUSB: C1.2 J1.A4 J1.A9 R7.1 U1.7 U1.16 | length 1610.7
  Top Layer w6: v2(1775,515) R7.1
  Top Layer w10: U1.16 1465,780 1490,755 1675,755 1765,665 U1.7 1765,527.71 1775,517.71 v2(1775,515) ; v2(2040,395) C1.2
  Bottom Layer w10: v2(1775,515) 1893.54,396.46 J1.A4 2386.06,389.8 2420.97,389.8 2424.79,385.98 2449.02,385.98 2470,365 2470,240 2444.02,214.02 2424.79,214.02 2420.97,210.2 2386.06,210.2 J1.A9
pads on no net: IC1.19 IC1.20 IC1.21 IC1.22 IC1.23 IC1.24 IC1.25 IC1.26 IC1.35 IC1.38 IC1.39 J1.A8 J1.B8 J1.Shell PMOD1.11 PMOD1.16 PMOD1.20 SW1.0 U1.9 U1.12 U1.13 U1.14

## Polygon pours and split planes (outlines as drawn)
GND on Bottom Layer "ggg" (solid, remove dead copper, pour order 0): -127.5,680 -127.5,1830 2652.5,1830 2652.5,-125 -112.5,-125
GND on Top Layer "NONET_L-01_P-001" (solid, pour order 1): -132.5,675 -132.5,1825 2647.5,1825 2647.5,-130 -117.5,-130

## Keep-outs
Keep-Out Layer:
  the board outline again, w6

## Silkscreen, mask and mechanical layers (free items; w line width, h text height)
Top Overlay:
  text "for more imformation / visit emoe.xyz" at 1465,1700 h60
  text "EmoeDDS" at 250,1696.18 h160
  text "HMI UART" at 175,1565 h70
  text "Controller Board Rev.1" at -55,1490.59 h80
  text "USER KEY1" at 2455,1380 h70
  text "DualMono x TerayTech 2025 RF Works" at -105,1345 h70 r270
  text "0.96 OLED" at 785,1345 h70
  text "B" at -30,1235 h350 r270
  text "ENC" at 2415,1110 h70
  text "D" at -55,950 h280 r270
  text "USER KEY2" at 2380,445 h70
  text "VIN" at 725,235 h60
  text "UART SEL" at 1265,85 h70
  text "7A83 SOM" at 450,60 h70
  text "TerayTech 2025 / RF Works" at 1645,30 h100
  text "VOUT" at 179.56,-50 h60 r90
Bottom Overlay:
  rectangle: 1405,1200 1450,1275
  text "B" at 2015,1480 h500
  text "D" at 2585,1195 h500
  text "ESP32S3" at 885,1015.44 h60
  text "BAT LOW" at 1045,255 h70
  text "BAT HIGH" at 900,-5 h70
  text "DEBUG USB" at 2615,-40 h70